# Altium PCB LAY-94611_B.PcbDoc (part 10 of 16) (continued)
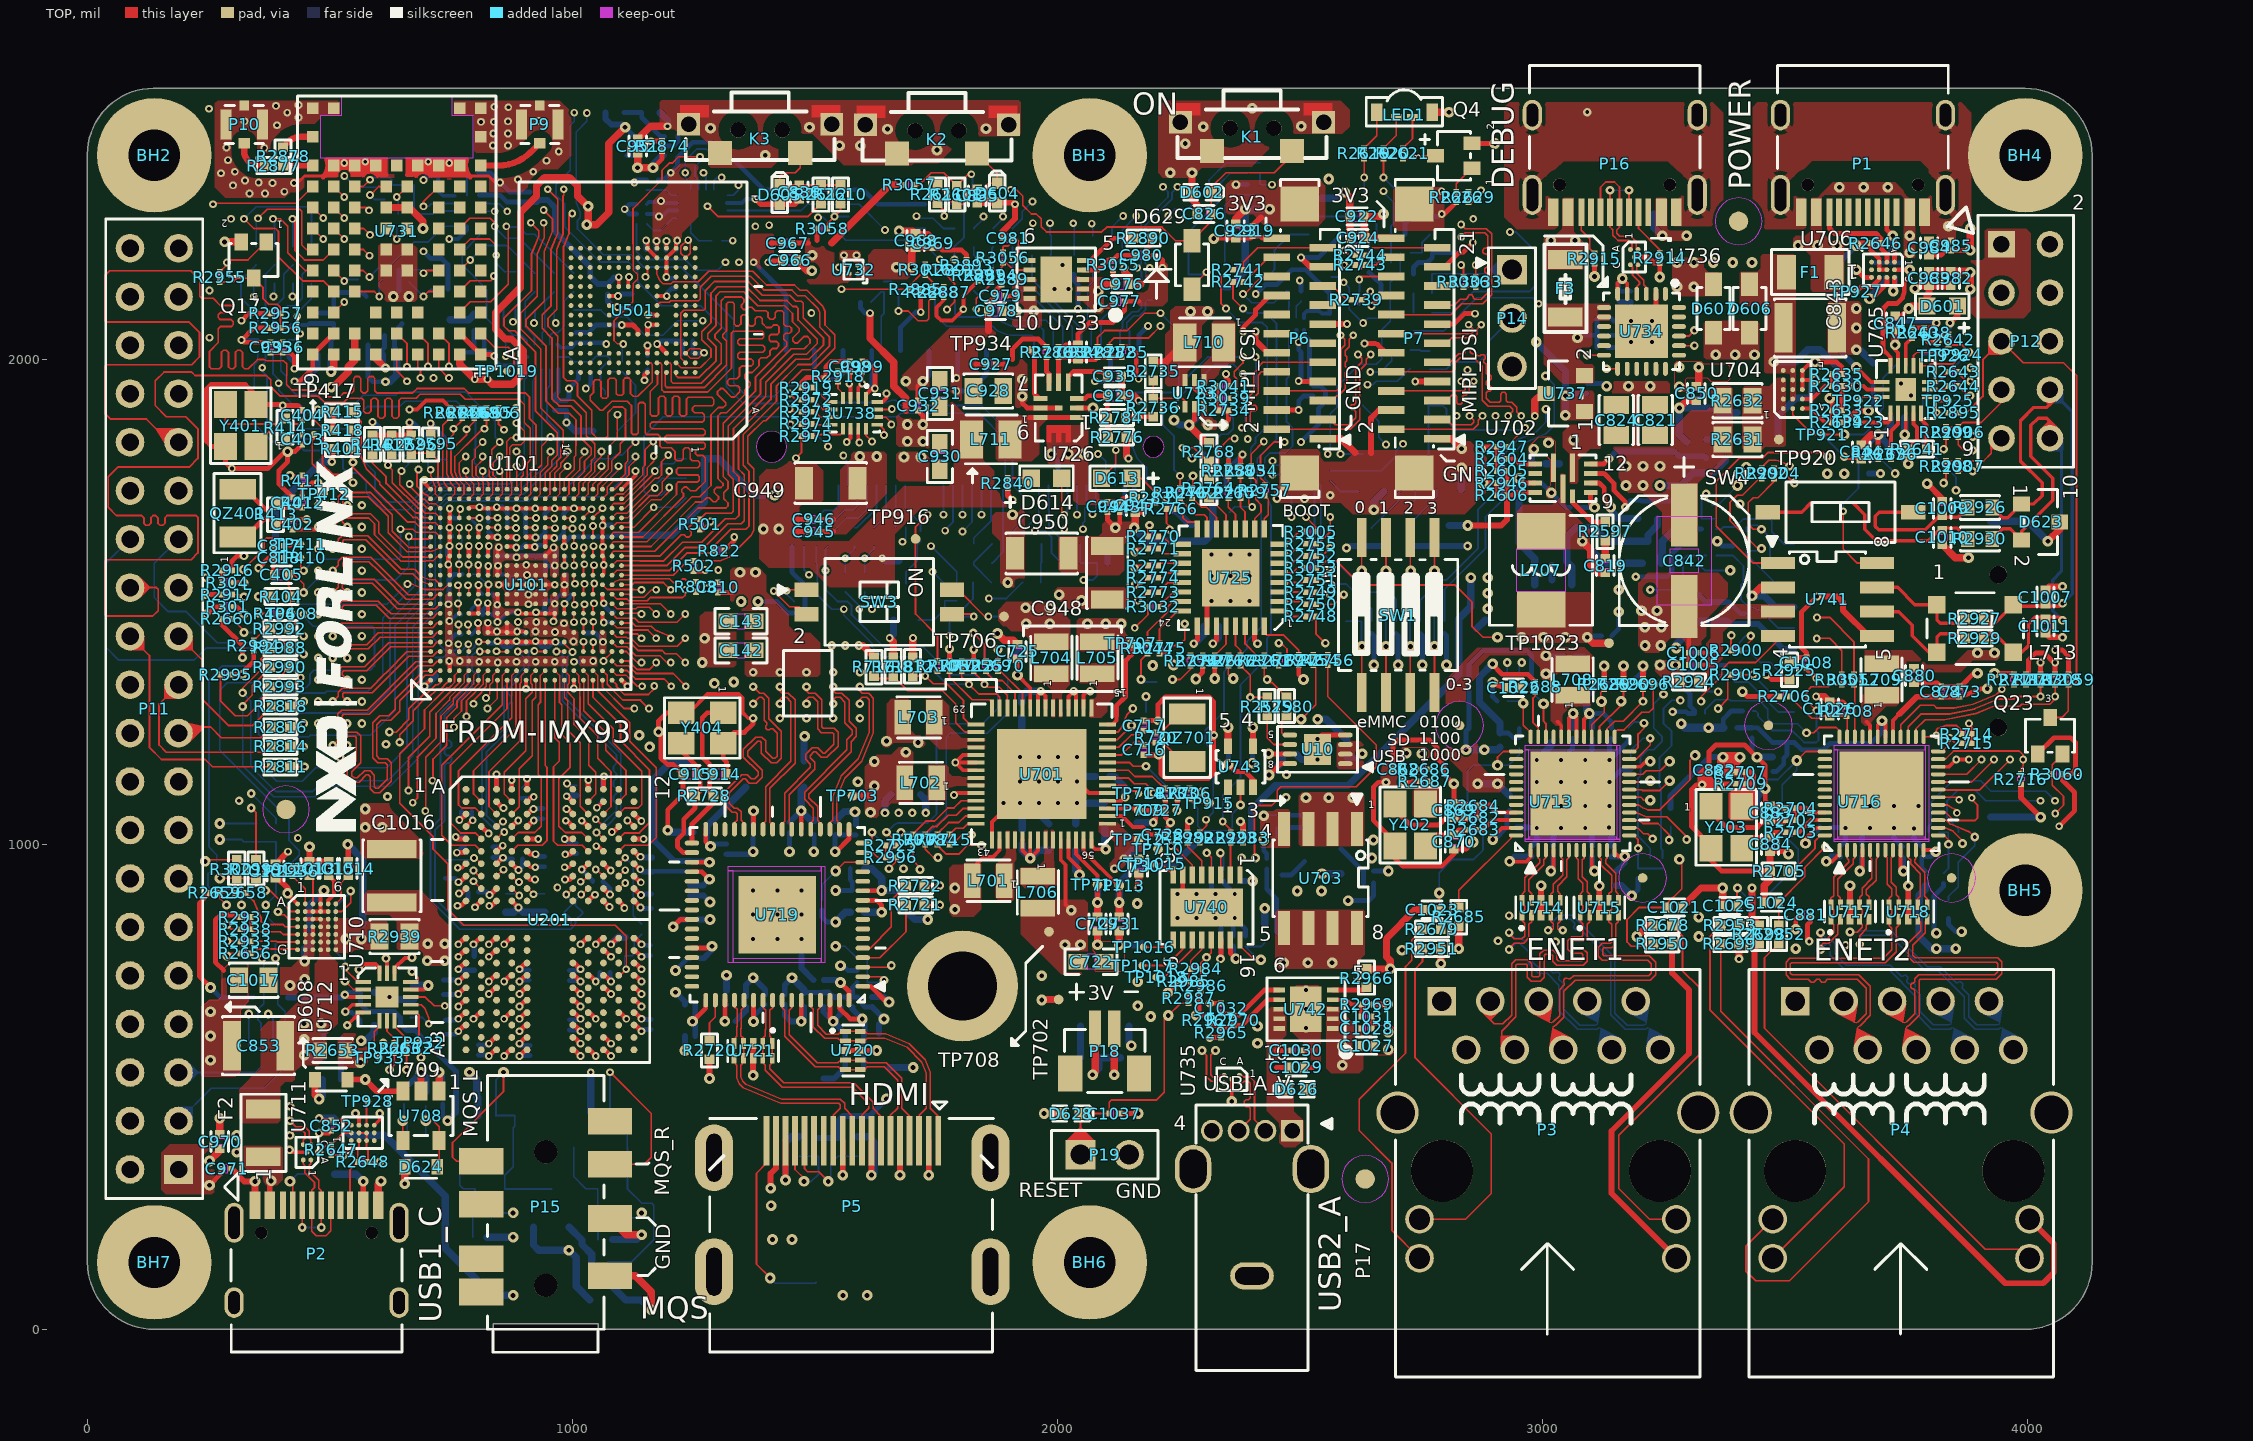
[diagram p0: TOP view]
## Nets (pads, with @x,y where several pads share a name; then routed paths per layer and width w, separated by ;. In a path a pad name is that pad's centre, name@x,y a point inside that pad or via, vN(x,y) a via of type N, cw(c..) or ccw(c..) an arc to the next point about the centre after c; other vN are vias at no path point) (continued)
  BOTTOM w3.62: v4(342.76,2130.04) 342.76,2150.8 347.76,2155.8 347.76,2156.8 ; v4(2052.8,1650) 2052.8,1662.09 2056.8,1666.09 2056.8,1693 2060.4,1696.6 P8.12@2060.4,1740
M2_PCM_OUT: P8.14 R2792.2 | length 3983.7
  ART06 w4: v4(383.76,2130.04) 383.76,2035.04 410.55,2008.25 410.55,1940.25 419.3,1931.5 419.3,1878.77 381.8,1841.27 381.8,1668.15 387.8,1662.15 387.8,1140 495.8,1032 535.8,1032 561.8,1006 657.79,1006 811.79,1160 984.8,1160 1004.8,1140 1004.8,1120 1025.8,1099 1083.8,1099 1113.8,1069 1155.8,1069 1171.14,1053.66 1326.14,1053.66 1356.8,1023 1376.8,1023 1446.8,953 1484.8,953 1517.8,920 1517.8,894 1526.8,885 1559.8,885 1562.8,882 1658.8,882 1674.8,898 1764.8,898 1773.8,889 1901.8,889 1935.8,855 1989.8,855 2016.8,882 2016.8,949 2077.8,1010 2077.8,1186.99 2030.29,1234.5 1980.3,1234.5 1944.8,1270 1944.8,1434 1960.8,1450 1960.8,1523 2035.8,1598 2035.8,1675.09 v4(2040.71,1680)
  BOTTOM w3.62: v4(383.76,2130.04) 385.76,2132.04 385.76,2156.8 ; v4(2040.71,1680) P8.14@2040.71,1740
M2_PCM_SYNC: P8.10 R2791.2 | length 3928.1
  ART06 w4: v4(422.76,2130.04) 406.76,2114.04 406.76,2053.04 450.3,2009.5 450.3,1936.08 430.8,1916.58 430.8,1874 393.3,1836.5 393.3,1672.92 402.8,1663.42 402.8,1149.7 442.65,1109.85 570.95,1109.85 612.8,1068 674.8,1068 779.8,1173 998.8,1173 1014.8,1157 1014.8,1125 1027.8,1112 1085.8,1112 1110.8,1087 1153.8,1087 1173.1,1067.7 1331.5,1067.7 1331.62,1067.82 1337.98,1067.82 1363.8,1042 1386.8,1042 1421.8,1007 1467.8,1007 1474.8,1000 1474.8,980 1529.8,925 1585.8,925 1600.8,940 1635.8,940 1646.8,929 1736.8,929 1743.8,936 1772.8,936 1797.8,961 1862.8,961 1954.8,1053 2044.3,1053 2066.3,1075 2066.3,1182.22 2029.52,1219 1951.8,1219 1900,1270.8 1900,1370 1912.8,1382.8 1912.8,1498 1956.8,1542 1956.8,1582.31 1994.8,1620.31 1994.8,1686.8 2013,1705 2048.8,1705 v4(2072.8,1681)
  BOTTOM w3.62: v4(422.76,2130.04) 423.76,2131.04 423.76,2156.8 ; v4(2072.8,1681) 2079.08,1687.28 2079.08,1739 P8.10@2080.08,1740
M2_PWRON: C934.1 R2781.2 R2782.2 R2783.1 R2785.2 U726.5 | length 184.9
  TOP w10: U726.5@2002.8,1953.15 2002.8,2004.49 2023.31,2004.49 2027.56,2000.24 2042.8,2000.24 2078.55,2000.24 2082.8,2004.49 2107.8,2004.49 2132.8,2004.49
M2_SD_CLK: P8.9 R2824.2 | length 153.1
  BOTTOM w3.62: P8.9@2089.92,2018.34 2089.92,2081.11 2112.72,2103.91 2112.72,2162
M2_SD_CMD: P8.11 R2823.2 R2825.2 | length 203.9
  BOTTOM w3.62: P8.11@2070.24,2018.34 2070.24,2067.56 2062.8,2075 2062.8,2150 2073,2160.2 R2823.2@2073,2174.96 R2825.2@2073,2214.96
M2_SD_DATA0: P8.13 R2822.2 R2826.2 | length 239.3
  BOTTOM w3.62: R2826.2@1947.6,2215.04 R2822.2@1947.6,2175.04 1947.6,2165.4 2050.55,2062.45 P8.13@2050.55,2018.34
M2_SD_DATA1: P8.15 R2827.2 | length 202.8
  BOTTOM w3.62: 1907.72,2142 1955.8,2142 2030.87,2066.93 P8.15@2030.87,2018.34
M2_SD_DATA2: P8.17 R2828.2 | length 223.5
  BOTTOM w3.62: 1867.72,2142 1888.72,2121 1957.8,2121 2011.18,2067.62 P8.17@2011.18,2018.34
M2_SD_DATA3: P8.19 R2829.2 | length 241.7
  BOTTOM w3.62: 1827.72,2142 1848.72,2121 1861.8,2121 1895.27,2087.53 1911.04,2081 1976.8,2081 1991.5,2066.3 P8.19@1991.5,2018.34
M2_SD_NRST: P8.23 R3037.2 | length 298
  BOTTOM w3.62: 1747.76,2141.8 1747.76,2093.04 1772.3,2068.5 1867.3,2068.5 1876.28,2059.52 1899.26,2050 1947.73,2050 1952.13,2045.6 P8.23@1952.13,2018.34
M2_SD_NWAKE: P8.21 R2851.2 | length 285.7
  BOTTOM w3.62: 1787.8,2142 1787.8,2122 1788.8,2121 1788.8,2094 1795.3,2087.5 1875.3,2087.5 1885.56,2077.24 1905.46,2069 1963.41,2069 1971.81,2060.6 P8.21@1971.81,2018.34
M2_UART_CTS: P8.34 R2839.2 | length 3072.8
  ART03 w3.09: v3(1843.86,1680) 1868.86,1655 1916.8,1655 1971.8,1710 2091.11,1710 2113.21,1687.9 2201.61,1687.9 2216.01,1673.5 2366.3,1673.5 2382.8,1657 2423.74,1657 2443.14,1637.6 2531.42,1637.6 2550.82,1657 2678.8,1657 2767.4,1745.6 2846.6,1745.6 2864,1763 2912,1763 2935,1740 2975,1740 2991,1756 3123,1756 3162,1795 3269.31,1795 3290,1774.31 3290,1719 3324,1685 3363.79,1685 3388.79,1660 3430,1660 3461.8,1691.8 3461.8,1966 3458.8,1969 3458.8,2038 3370.8,2126 3003.8,2126 v3(2992.8,2115)
  BOTTOM w3.62: v3(1843.86,1680) P8.34@1843.86,1740 ; 2734.6,2058.54 2796.38,2058.54 2864.84,2127 2980.8,2127 v3(2992.8,2115)
M2_UART_NWAKE: P8.20 R2853.2 | length 131.5
  BOTTOM w3.62: P8.20@1981.66,1740 1981.66,1691.14 1982.8,1690 1982.8,1655 2009.4,1628.4 R2853.2@2009.4,1620
M2_UART_RTS: P8.36 R2837.2 | length 1935.5
  ART06 w4: v4(1804.49,1645) 1840.53,1645 1859.76,1664.23 1859.76,1684.24 1781,1763 1698,1763 1667,1794 1667,1811 1673,1817 1673,1872 1705,1904 2045,1904 2076,1935 2180.8,1935 2195.8,1950 2195.8,2005.2 2166.8,2034.2 2166.8,2088 2193.8,2115 2229.8,2115 2233.8,2111 2233.8,2004 2298.8,1939 2521,1939 2530,1948 v4(2639.8,1948)
  BOTTOM w3.62: v4(1804.49,1645) 1824.18,1664.69 P8.36@1824.18,1740 ; v4(2639.8,1948) 2650.8,1948 2657.8,1955 2701.46,1955 2727.76,1981.3
M2_UART_RXD: P8.22 R2835.2 | length 133.4
  BOTTOM w3.62: R2835.2@1929.6,1620.04 1929.6,1646.8 1961.97,1679.17 P8.22@1961.97,1740
M2_UART_TXD: P8.32 R2833.2 | length 134.9
  BOTTOM w3.62: R2833.2@1827.6,1620.04 1827.6,1631.8 1863.55,1667.75 P8.32@1863.55,1740
M2_USB_DN: P8.5 R2807.2 | length 142.1
  BOTTOM w3.62: P8.5@2129.29,2018.34 2129.29,2059.49 2134.63,2064.83 2134.63,2078.86 2154.27,2098.5 2165.77,2098.5 2173.47,2106.2 2173.47,2118 2169.47,2122 2157.72,2122
M2_USB_DP: P8.3 R2806.2 | length 142.3
  BOTTOM w3.62: P8.3@2148.98,2018.34 2148.98,2058.82 2143.13,2064.67 2143.13,2075.33 2157.8,2090 2169.3,2090 2181.97,2102.67 2181.97,2118 2185.97,2122 2197.72,2122
MQS_L: C991.2 C992.2 D620.1 D621.3 P15.5 R2913.1 TP1048.1 | length 672.3
  TOP w3.62: P15.5@812.01,346.45 761.35,346.45 752.8,355 752.8,385 857.8,490 v7(857.8,530)
  BOTTOM w3.62: v7(857.8,530) 842.6,514.8 D620.1@842.6,480 R2913.1@842.6,440.04 843.56,441 TP1048.1@881,441 881,419 877.92,415.92 C992.2@877.92,375 877.92,335.13 860.51,317.72 860.51,290 861.01,289.5 D621.3@956.8,289.5
MQS_R: C988.2 C989.2 D618.3 D619.1 P15.3 R2911.1 TP1047.1 | length 838.7
  TOP w3.62: P15.3@1077.75,340.55 1148.35,340.55 1162.8,355 1162.8,445 v5(1077.8,530)
  BOTTOM w3.62: D618.3@1072.8,139.5 1122.3,139.5 1167.8,185 1167.8,256 1163.8,260 1143.51,260 1113.51,290 1113.51,374.41 C989.2@1112.92,375 1112.92,417.92 1119,424 TP1047.1@1119,445 R2911.1@1077.6,445.04 R2911.1@1077.6,445.04 1077.6,479.8 1077.8,480 D619.1@1077.8,485 v5(1077.8,530)
MX_POR_B: C405.1 R404.2 R406.2 TP408.1 U101.A16 | length 513.9
  TOP w3.62: 396.82,1476 TP408.1@421.31,1476 421.31,1493.4 418,1496.71 R404.2@418,1511.04 418,1529.8 414.56,1533.24 414.56,1556 426.81,1556 445.8,1537.01 v15(445.8,1519.45) ; v5(662.8,1635) 667.8,1630 703.83,1630 U101.A16@707.75,1633.92
  BOTTOM w3.62: v15(445.8,1519.45) 471.35,1545 635,1545 662.8,1572.8 v5(662.8,1635)
NetC401_1: C401.1 QZ401.2 R412.2 R413.1 | length 155.4
  TOP w10: QZ401.2@309.56,1732.29 325.51,1732.29 365.84,1691.96 380,1691.96 R413.1@387.84,1699.8 393.15,1694.49 C401.1@422.8,1694.49 442.8,1694.49
NetC710_1: C710.1 C711.1 L703.2 R709.2
  other v7: 1713,1210 1647.8,1213
NetC728_1: C728.1 TP710.1 U701.2 | length 149.8
  TOP w8: U701.2@2103.63,1058.39 2133.41,1058.39 2155.8,1036 2176.8,1036 2192.8,1020 C728.1@2207.29,1020
  TOP w10: C728.1@2207.29,1020 2207.29,1013.51 2207.8,1013 TP710.1@2207.8,990
NetC810_1: C810.1 R803.2 U501.M6 | length 873.6
  TOP w3.62: v4(1150.8,2170.42) 1151.09,2170.42 1154.71,2174.04 U501.M6@1154.71,2189.82 ; 1254.8,1520.49 1269.79,1520.49 v4(1277.3,1528) 1289.81,1540.51 C810.1@1299.8,1540.51
  ART06 w4: v4(1150.8,2170.42) 1131.38,2151 1090,2151 1053.8,2114.8 1053.8,2011.15 1067.8,1977.35 1067.8,1895.07 1092.8,1834.7 1092.8,1797.8 1078.8,1783.8 1078.8,1759.2 1155.41,1682.59 1171.68,1643.32 1277.3,1537.7 v4(1277.3,1528)
NetC813_1: C813.1 R703.2 R706.2 U701.8 | length 184.6
  TOP w3.62: U701.8@2103.63,1152.87 2146.94,1152.87 2159.81,1140 2195.79,1140 2220.28,1115.51 C813.1@2222.8,1115.51 2247.8,1115.51 2272.8,1115.51
NetC819_1: C819.1 R2597.2 | length 37.1
  TOP w15: 3129.8,1589.76 3129.8,1612 3129.84,1612.04 R2597.2@3129.84,1626.8
NetC819_2: C819.2 L707.1 R2600.1 U702.7 | length 235.8
  TOP w15: v7(3082.8,1625) 3100,1607.8 3100,1575.24 3115,1560.24 3129.8,1560.24
  BOTTOM w15: v7(3082.8,1625) 3127.84,1579.96 R2600.1@3207,1579.96
NetC822_1: C822.1 R2600.2 R2602.1 | length 103.8
  BOTTOM w15: R2600.2@3245,1579.96 3245,1595 3247.56,1597.56 3247.56,1625 3277.84,1655.28 3277.84,1670.2
NetC832_1: C832.1 R2599.2 U702.12 | length 253.9
  TOP w10: U702.12@3099.89,1784.53 3127.33,1784.53 v15(3137.8,1795)
  BOTTOM w12: v15(3137.8,1795) 3152.8,1810 3272.8,1810 3282.56,1800.24 C832.1@3297.8,1800.24 3334.32,1800.24 3337.76,1796.8
NetC838_2: C838.2 C1019.1 R2607.2 R2609.1 U703.4 | length 201.2
  BOTTOM w3.62: v7(2425.8,1059) 2426.8,1060 C838.2@2452.29,1060
  BOTTOM w10: C1019.1@2431.8,949.49 2431.8,908 2451.8,888 2451.8,820 2456.8,815 ; R2607.2@2473.31,1035 2502.8,1035
NetC844_1: C844.1 Q6.1 R2636.2 R2637.1 | length 196.3
  TOP w3.62: v15(3622.8,1799.49) 3627.8,1794.49 3657.8,1794.49 3692.8,1794.49 3719.05,1794.49
  BOTTOM w3.62: 3555.33,1869.5 3555.33,1866.96 v15(3622.8,1799.49)
NetC849_1: C849.1 D606.C D607.C U707.2
  other v7: 3357.8,2010 3397.8,2010 3437.8,2010
NetC851_1: C851.1 D624.C R2649.1 U708.5 | length 176.9
  TOP w3.62: v7(697.8,430) 712.8,430 725.3,417.5 U708.5@725.3,389 725.3,339.24 D624.C@721.26,335.2
  BOTTOM w3.62: R2649.1@697.6,400.04 697.6,404.8 697.8,405 v7(697.8,430) C851.1@697.8,460.24
NetC926_1: C926.1 R2747.2 R2753.2 U725.28 | length 153
  TOP w3.62: 2274.8,1389.51 2299.8,1389.51 C926.1@2324.8,1389.51 2347.96,1412.67 U725.28@2347.96,1449.61
  TOP w10: v13(2285.8,1341) 2299.8,1355 R2747.2@2299.8,1368.49
NetC929_2: C929.2 R2776.2 R2784.1 U726.3 | length 150.8
  TOP w10: U726.3@2040.2,1919.69 2057.49,1919.69 2062.8,1925 2103.04,1925 2103.04,1880.08 R2784.1@2103,1880.04 2103,1859.8 2104.6,1858.2 R2776.2@2104.6,1839.96
NetC933_1: C933.1 U726.4 | length 100.5
  TOP w10: U726.4@2022.49,1953.15 2022.49,1964.69 2032.8,1975 2093.04,1975 2103.04,1965
NetC980_1: C980.1 R3055.2 U733.4 | length 121.9
  TOP w10: U733.4@2052.92,2184.69 2084.7,2184.69 2105.52,2205.51 2115,2205.51 2124.49,2215 C980.1@2162.29,2215
NetC981_1: C981.1 R3056.2 U733.6 | length 109.4
  TOP w3.62: 1888,2220.51 1888,2232 1890,2234 1898.99,2234 1908.31,2243.32 C981.1@1908.31,2250 1914.99,2250 1920,2244.99 1920,2222.81 1938.44,2204.37 U733.6@1942.68,2204.37
NetC988_1: C988.1 C989.1 C990.1 R2910.2 | length 226.4
  BOTTOM w3.62: C989.1@1002.68,375 1002.68,315.12 1027.8,290 1052.09,290 1052.09,232.55 R2910.2@1054.6,230.04 1053.04,228.48 1053.04,185
NetC991_1: C991.1 C992.1 C993.1 R2912.2 | length 267.7
  BOTTOM w3.62: C992.1@767.68,375 767.68,297.32 775,290 799.09,290 799.09,251.29 794.6,246.8 R2912.2@794.6,230.04 794.6,190
  BOTTOM w15: C993.1@824.12,190 v2(877.8,190)
NetC995_1: C995.1 C997.1 U734.5 U734.6 | length 126.2
  TOP w8: U734.6@3155.59,2135.26 3155.59,2157.29 v7(3165.3,2167) 3175.27,2157.03 U734.5@3175.27,2135.26
  BOTTOM w10: v7(3165.3,2167) 3157.8,2159.5 3157.8,2140.51 3182.8,2140.51
NetC1009_1: C1009.1 R2926.1 SW4.2 | length 367.4
  TOP w7: SW4.2@3765,1685 3695,1685 3687,1677 3687,1655.5 3694,1648.5 3790,1648.5 3819.74,1678.24 3824.8,1678.24 3828.54,1674.5 3856.71,1674.5 R2926.1@3877.21,1695
  TOP w12: v2(3793.8,1744) 3824.8,1713 C1009.1@3824.8,1707.76
NetC1010_1: C1010.1 R2930.2 SW4.1 | length 556.2
  TOP w7: SW4.1@3465,1685 3535,1685 3555,1705 3640,1705 3665,1680 3665,1650 3688.5,1626.5 3796.5,1626.5 3815,1645 3822.04,1645 3824.8,1647.76 3829.54,1652.5 3854.71,1652.5 R2930.2@3877.21,1630
  TOP w15: C1010.1@3824.8,1618.24 3852.04,1591 v2(3879,1591)
NetC1013_1: C1013.1 U710.A3 | length 61
  TOP w3.62: 457.8,935.24 464.93,928.11 U710.A3@464.93,877.24
NetC1014_1: C1014.1 U710.A6 | length 282.1
  TOP w3.62: U710.A6@512.17,877.24 522.8,887.87 522.8,920.24 537.8,935.24
  TOP w12: v7(536.8,1000) 537.8,999 C1014.1@537.8,964.76
  BOTTOM w15: v7(536.8,1000) 567.8,969 567.8,835
NetC1031_1: C1031.1 R2969.2 U742.4 | length 121.9
  TOP w8: U742.4@2567.92,679.69 2597.12,679.69 2606.81,670 2627.29,670
  TOP w10: C1031.1@2627.29,645 2627.29,670
  TOP w12: R2969.2@2648.31,670 v17(2681.8,670)
NetC1032_1: C1032.1 R2970.2 U742.6 | length 143
  TOP w10: C1032.1@2337.8,651.49 2358.82,651.49 2362.8,647.51 2375.31,647.51 2427.17,699.37 U742.6@2457.68,699.37
NetC1033_1: C1033.1 C1034.1 R2976.2 U740.15 | length 70.7
  TOP w10: U740.15@2357.01,803.07 2357.01,775.58 v7(2368.2,764.39)
  BOTTOM w12: 2362.8,789.49 2362.8,769.79 v7(2368.2,764.39)
NetC1035_1: C1035.1 R2977.2 U740.16 | length 153.5
  TOP w3.62: U740.16@2376.7,803.07 2376.7,791.1 2405.8,762 v7(2419.8,762)
  BOTTOM w3.62: v7(2419.8,762) 2415.29,762 2387.8,789.49 2420.45,789.49 2427.76,796.8
NetC1045_2: C1045.2 D629.A Q21.1 Q22.3 R3020.2 | length 368
  TOP w3.62: D629.A@2277.8,2145 2277.8,2150 v5(2307.8,2180)
  BOTTOM w3.62: v5(2307.8,2180) 2302.8,2175 2270.33,2175 2270.33,2259.5 2270.33,2262.53 2332.8,2325 2332.8,2360.01 2357.28,2384.49 R3020.2@2367.8,2384.49 2392.8,2384.49
NetD601_A: D601.A R605.2 | length 146.1
  TOP w12: v15(3841,2075) 3856.5,2090.5 D601.A@3856.5,2110
  BOTTOM w10: 3785.04,2053.2 3786.84,2055 3829.5,2055 3841,2066.5 v15(3841,2075)
  BOTTOM w15: R605.2@3785.04,2015.2 3819.8,2015.2
NetD603_C: D603.C R2598.1 R2599.1 | length 243.6
  BOTTOM w12: 3337.76,1834.8 3377.76,1834.8 3419.14,1834.8 D603.C@3419.34,1835
  BOTTOM w15: v13(3242.8,1740) 3285,1740 3311.6,1766.6 3353.4,1766.6 3377.76,1790.96 R2598.1@3377.76,1796.8
NetD608_C: D608.C R2651.2 R2652.2 R2654.1 U708.3 | length 260.5
  TOP w12: D608.C@536.26,515 v7(572.8,515) 596.8,491 U708.3@650.3,491
  BOTTOM w12: R2652.2@526,599.96 R2651.2@526,559.96 522.6,556.56 R2654.1@522.6,515.04 v7(572.8,515) v7(572.8,515)
NetD613_A: D613.A R2831.1 | length 60.7
  TOP w3.62: D613.A@2154.3,1755 2173.31,1755 2202.8,1725.51
NetD614_A: D614.A R2840.1 | length 77.3
  TOP w3.62: 1897.8,1755.51 1945.79,1755.51 D614.A@1946.3,1755
  TOP w12: R2840.1@1897.8,1734.49 1897.8,1720 v16(1907.8,1710)
NetD627_C: D627.C R2978.1 | length 107.2
  BOTTOM w15: 2047.8,625 2047.8,560.16 R2978.1@2048,559.96 ; D627.C@2147.8,625 2147.8,590 v18(2152.8,585)
NetF1_1: F1.1 P1.A4 P1.A9 P1.B4 P1.B9 TP1024.1 TP1025.1
  other v7: 3757.8,2220 3527.8,2235 3567.8,2235 3607.8,2235 3757.8,2255 3612.8,2355 3662.8,2355 3712.8,2355
NetF2_1: F2.1 P2.A4 P2.A9 P2.B4 P2.B9 TP1031.1 | length 379.6
  TOP w12: P2.B9@375.98,255.71 375.98,303.18 v14(378.8,306) ; P2.B4@568.89,255.71 v14(568.89,305)
  ART03 w15: v14(378.8,306) 407.8,277 540.89,277 v14(568.89,305)
  BOTTOM w15: TP1031.1@510,320 553.89,320 v14(568.89,305)
NetF3_1: F3.1 P16.A4 P16.A9 P16.B4 P16.B9 TP1042.1 | length 52.4
  BOTTOM w15: TP1042.1@3230,2300 3230,2272.8 v19(3247.8,2255)
  other v19: 3017.8,2245 3067.8,2245 3297.8,2255
NetF5_1: F5.1 U722.2
NetL701_1: L701.1 U701.45 U701.46
NetL702_1: L702.1 U701.36 U701.37
NetL703_1: L703.1 U701.31 U701.32
NetL704_1: L704.1 U701.19 U701.20
NetL705_1: L705.1 U701.15
NetL706_1: L706.1 U701.50 U701.51
NetL708_1: L708.1 U713.32 | length 34.3
  TOP w8: 3031.8,1253 3039.18,1245.62 U713.32@3039.18,1221.73
NetL709_1: L709.1 U716.32 | length 34.3
  TOP w8: 3668.8,1253 3676.18,1245.62 U716.32@3676.18,1221.73
NetL710_1: L710.1 U723.4
NetL711_1: L711.1 U726.1 U726.9 | length 97.4
  TOP w10: 1942.8,1880.31 U726.9@1965.4,1880.31 U726.1@2040.2,1880.31
NetL712_1: L712.1 U730.4 | length 22
  BOTTOM w10: 1112.69,2420.32 U730.4@1134.74,2420.32
NetLED1_2: LED1.2 R2621.1 | length 71.6
  TOP w3.62: 2712.8,2435.51 2732.53,2455.24 LED1.2@2732.53,2498.97
NetLED1_3: LED1.3 R2620.1 | length 74.3
  TOP w3.62: 2672.8,2435.51 2699.07,2461.78 LED1.3@2699.07,2498.97
NetLED1_4: LED1.4 R2619.1 | length 85
  TOP w3.62: 2632.8,2435.51 2658.71,2461.42 LED1.4@2658.71,2509.8
NetP3_11: P3.11 R2951.1 | length 746.4
  TOP w3.62: P3.11@2747.05,226.77 2841.77,226.77 2895,280 2895,402.8 2737.8,560 2737.8,743 2753,758.2 R2951.1@2753,785.04
NetP3_12: P3.12 R2679.1 | length 783.6
  TOP w3.62: P3.12@2747.05,146.85 2690,203.9 2690,342.8 2622.8,410 2622.8,474 2718,569.2 2718,748 2730.8,760.8 2730.8,802.84 R2679.1@2753,825.04
NetP3_13: P3.13 R2678.1 | length 779.7
  TOP w3.62: R2678.1@3267.6,832.86 3289.13,811.33 3289.13,739.67 3323.8,705 3323.8,566 3157.8,400 3157.8,290.32 3221.35,226.77 P3.13@3276.58,226.77
NetP3_14: P3.14 R2950.1 | length 784.2
  TOP w12: R2950.1@3267.6,794.96 3267.6,735 3302.6,700 3302.6,568.8 3142.8,409 3142.8,280.63 P3.14@3276.58,146.85
NetP4_11: P4.11 R2699.1 | length 1116.7
  TOP w3.62: R2699.1@3368,795.04 3368,656 3672.8,351.2 3672.8,262.8 3510,100 3440,100 3420,120 3420,171.37 P4.11@3475.41,226.77
NetP4_12: P4.12 R2953.1 | length 871.3
  TOP w3.62: R2953.1@3368.7,832.86 3345.8,809.96 3345.8,659.2 3622.8,382.2 3622.8,294.25 P4.12@3475.41,146.85
NetP4_13: P4.13 R2698.1 | length 1158
  TOP w12: R2698.1@3447.76,795.2 3438,785.44 3438,612 3955,95 4033,95 4055,117 4055,176.7 P4.13@4004.94,226.77
NetP4_14: P4.14 R2952.1 | length 929.5
  TOP w3.62: R2952.1@3487.76,795.2 3458.38,765.82 3458.38,620.62 3914,165 3986.78,165 P4.14@4004.94,146.85
NetP7_17: P7.17 R3033.2 R3036.2 | length 80.2
  TOP w3.62: P7.17@2783.46,2151.57 2835.72,2151.57 2837.8,2149.49 2862.8,2149.49
NetP7_18: P7.18 R3034.2 R3035.2 | length 123.1
  TOP w3.62: v5(2622.8,2165) 2622.8,2166.85 2627.2,2171.25 P7.18@2688.98,2171.25
  BOTTOM w3.62: v5(2622.8,2165) 2623.31,2164.49 2623.31,2137 2623.31,2112
NetP8_55: P8.55 R2868.2 R3031.1 | length 427.2
  TOP w15: v5(1613.8,2095.5) 1613.8,2043 1662.8,1994 1662.8,1945 1687.8,1920 1687.8,1895
  BOTTOM w3.62: 1615.31,2118 1636.8,2139.49 R2868.2@1642.8,2139.49 1642.8,2095.01 1637.17,2089.38 P8.55@1637.17,2018.34
  BOTTOM w10: R3031.1@1594.29,2118 1594.29,2105.5 1604.29,2095.5 v5(1613.8,2095.5)
NetP8_62: P8.62 R2860.1 | length 1473.2
  ART06 w4: v4(1558.8,1802) 1548.8,1812 1548.8,1968 1610.8,2030 1727.8,2030 1789.3,2091.5 1789.3,2111.5 1812.8,2135 1960.8,2135 2009.8,2086 2112.8,2086 2161.8,2135 2349.07,2135 2369.07,2155 2424.8,2155 2440.8,2139 2440.8,2036.53 v4(2409.27,2005)
  BOTTOM w3.62: v4(1558.8,1802) 1558.8,1798 1568.27,1788.53 P8.62@1568.27,1740 ; v4(2409.27,2005) 2409.8,2004.47 R2860.1@2409.8,1943.54
NetP8_64: P8.64 R2861.1 R2864.1 | length 169.9
  BOTTOM w3.62: R2861.1@1452.8,1635.51 R2864.1@1477.8,1635.51 1477.8,1646.99 1519.81,1689 1538.8,1689 1548.58,1698.78 P8.64@1548.58,1740
NetP9_1: P9.1 U731.K1 | length 136.8
  TOP w13: U731.K1@811.03,2399.92 847.45,2399.92 ccw(c847.45,2494.46) 914.3,2427.61 P9.1@932.8,2446.11
NetP10_1: P10.1 R2877.2 | length 75.6
  TOP w13: P10.1@323.3,2446.11 323.3,2428.54 ccw(c349.23,2428.54) 330.89,2410.21 334.03,2407.07 ccw(c351.29,2424.33) 351.29,2399.92 R2877.2@365.34,2399.92
NetP16_A5: P16.A5 R2914.1 | length 101.3
  TOP w3.62: P16.A5@3198.84,2303.34 3198.83,2269.96 3242.29,2226.5 3242.29,2220
NetP16_B5: P16.B5 R2915.1 | length 122.5
  TOP w3.62: P16.B5@3080.73,2303.34 3080.72,2266.07 3097.8,2248.99 3097.8,2228.51 3107.8,2218.51
  TOP w10: v23(3107.8,2171) R2915.1@3107.8,2197.49
NetP17_2: P17.2 U735.A1 | length 147.3
  TOP w3.49: U735.A1@2375.55,523.87 2380.93,523.87 2384.4,520.4 2397.25,520.4 2406.6,511.05 2406.6,431.98 P17.2@2429.13,409.45
NetP17_3: P17.3 U735.A2 | length 149.1
  TOP w3.49: P17.3@2374.01,409.45 2397.8,433.24 2397.8,456 2394.31,459.49 2389.29,459.49 2385.8,462.98 2385.8,469.96 2389.29,473.45 2394.31,473.45 2397.8,476.94 2397.8,507.4 2393.6,511.6 2385.4,511.6 2381.93,508.13 U735.A2@2375.55,508.13
NetQ1_1: Q1.1 R2613.2 R2614.2 | length 89.9
  BOTTOM w10: 2585.27,990.5 2630.77,945 2631.29,945 2631.29,920
NetQ1_3: Q1.3 R2609.2 | length 59.3
  BOTTOM w10: 2462.76,936.8 2482.13,936.8 2510.33,965
NetQ2_3: Q2.3 R2619.2 | length 81.1
  TOP w3.62: 2632.8,2414.49 2632.84,2414.45 v5(2632.84,2375.04)
  BOTTOM w3.62: Q2.3@2632.8,2333.47 v5(2632.84,2375.04) v5(2632.84,2375.04)
NetQ3_1: Q3.1 R2625.1 R2627.2 | length 68.1
  BOTTOM w3.62: 2728.31,2220 2752.29,2220 2752.29,2241.52 Q3.1@2768.3,2257.53
NetQ3_3: Q3.3 R2620.2 | length 127.1
  TOP w3.62: 2672.8,2414.49 2672.84,2414.45 v5(2672.84,2375.04)
  BOTTOM w3.62: v5(2672.84,2375.04) 2715.41,2332.47 Q3.3@2742.8,2332.47
NetQ4_1: Q4.1 R2626.1 R2629.2 | length 87.4
  TOP w3.62: 2847.8,2345.51 2822.8,2345.51 2822.8,2362.03 Q4.1@2855.27,2394.5
NetQ4_3: Q4.3 R2621.2 | length 69.8
  TOP w3.62: 2712.8,2414.49 2729.48,2414.49 2734.99,2420 Q4.3@2780.33,2420
NetQ6_3: Q6.3 R2633.2 R2634.2 U704.A3 | length 172.3
  TOP w8: U704.A3@3536.49,1898.63 3554.8,1898.63 3583.43,1870 3597.29,1870
  TOP w10: v7(3592.8,1920) 3597.29,1915.51 3597.29,1895 3597.29,1870
  BOTTOM w3.62: v7(3592.8,1920) 3617.8,1895 3630.27,1895
NetQ7_3: Q7.3 R2638.2 R2640.2 | length 165.4
  TOP w10: 3762.8,2065.51 3787.8,2065.51 3803.31,2065.51 v15(3812.8,2075)
  BOTTOM w10: Q7.3@3707.8,2067.47 3727.47,2067.47 3739,2079 3808.8,2079 v15(3812.8,2075)
NetQ8_1: Q8.1 R2858.1 R2863.1 | length 106.3
  BOTTOM w3.62: Q8.1@1713.3,1462.53 1745.32,1462.53 1767.8,1485.01 R2863.1@1767.8,1502.53 R2858.1@1792.8,1502.53
NetQ8_3: Q8.3 R2850.2 R2852.2 | length 99.4
  BOTTOM w3.62: Q8.3@1687.8,1537.47 1687.8,1561.76 R2850.2@1711,1584.96 1711,1617.69 R2852.2@1717.8,1624.49
NetQ9_1: Q9.1 R3002.2 | length 93.3
  BOTTOM w3.62: 2727.76,1661.8 2782.3,1716.34 Q9.1@2782.3,1732.47
NetQ9_3: Q9.3 R2605.1 R2606.1 R2946.1 U702.6 | length 339.1
  TOP w10: v2(2877.8,1745) R2946.1@2906.29,1745 R2606.1@2906.29,1720 ; 2927.31,1770 2927.31,1745 2927.31,1720 2937.79,1720 2943.26,1725.47 U702.6@2985.71,1725.47
  TOP w12: v7(2846.33,1657.53) 2915.31,1657.53 2927.31,1669.53 2927.31,1720
  BOTTOM w15: Q9.3@2807.8,1657.53 v7(2846.33,1657.53)
NetQ15_1: Q15.1 R2945.2 | length 68.6
  BOTTOM w3.62: R2945.2@2562.8,1749.49 2584.82,1727.47 Q15.1@2622.3,1727.47
NetQ15_3: Q15.3 R2943.2 | length 113.3
  BOTTOM w3.62: Q15.3@2647.8,1652.53 2703.8,1708.53 2703.8,1725 2713.8,1735 2717.29,1735
NetQ16_2: Q16.2 R2860.2 R2954.2 R3028.2 | length 356.6
  BOTTOM w3.62: 2280.33,1710.5 2325.33,1755.5 2325.33,1805 2325.33,1833.53 2337.8,1846 2351.8,1846 2363,1857.2 2363,1878.5 2350,1891.5 2350,1915 2333.2,1931.8 R3028.2@2333.2,1943.46 2371.72,1943.46 R2860.2@2371.8,1943.54
  BOTTOM w10: v26(2277.8,1796) 2286.8,1805 R2954.2@2304.31,1805
NetQ18_1: Q18.1 R2959.1 R2961.2 | length 173.7
  BOTTOM w3.62: R2959.1@1077.8,1974.49 R2961.2@1102.8,1974.49 1130.27,1947.02 1130.27,1889.5 Q18.1@1093.3,1852.53
NetR302_2: R302.2 U101.D8 | length 40.9
  TOP w3.2: v5(764.36,1496.74) 766.8,1494.3 U101.D8@766.8,1476.43
  BOTTOM w3.62: v5(764.36,1496.74) 766.64,1499.02 766.64,1515.37
NetR303_1: R303.1 U101.D12 | length 42.1
  TOP w3.62: v5(766.02,1577.51) 766.8,1576.73 U101.D12@766.8,1555.18
  BOTTOM w3.62: 762.85,1595.66 766.02,1592.49 v5(766.02,1577.51)
NetR305_1: R305.1 U101.D14 | length 42.8
  TOP w3.62: v5(766.49,1614.68) 766.8,1614.37 U101.D14@766.8,1594.55
  BOTTOM w3.62: v5(766.49,1614.68) 771.81,1620 771.81,1634.99
NetR705_2: R705.2 R710.2 U701.28 | length 183
  TOP w3.62: 1752.8,1357.49 1777.8,1357.49 1777.8,1345 1824.8,1298 1859.8,1298 1865.44,1292.36 U701.28@1865.44,1280.83
  TOP w10: R705.2@1777.8,1378.51 v27(1777.8,1403)
NetR707_2: R707.2 U701.39 | length 158.8
  TOP w3.62: 1702.8,1020.51 1702.8,1022 1728.8,1048 1746.8,1048 1773.8,1075 1786.8,1075 1801.68,1089.88 U701.39@1831.97,1089.88
NetR708_2: R708.2 U701.40 | length 127.2
  TOP w3.62: 1727.8,1020.51 1727.8,1021.99 1742.81,1037 1751.8,1037 1774.8,1060 1791.8,1060 1805.93,1074.13 U701.40@1831.97,1074.13
NetR714_2: R714.2 U701.41 | length 95.7
  TOP w3.62: 1752.8,1020.51 1752.8,1022 1775.8,1045 1796.8,1045 1810.19,1058.39 U701.41@1831.97,1058.39
NetR715_2: R715.2 U701.42 | length 63.3
  TOP w3.62: 1777.8,1020.51 1790.29,1033 1805.8,1033 1815.44,1042.64 U701.42@1831.97,1042.64
NetR716_2: R716.2 R718.1 U701.30 | length 285
  TOP w3.62: R716.2@1621.84,1347.2 1626.84,1342.2 1656.76,1342.2 R718.1@1661.76,1347.2 1691.96,1317 1763.3,1317 1790.8,1289.5 1790.8,1250.5 1809.69,1231.61 U701.30@1831.97,1231.61
NetR723_1: R723.1 U701.12 | length 95.3
  TOP w3.62: U701.12@2103.63,1215.87 2123.67,1215.87 v15(2152.8,1245)
  BOTTOM w3.62: v15(2152.8,1245) 2162.6,1235.2 2182.84,1235.2
NetR816_2: R816.2 U10.1 U10.2 U10.3 | length 77.4
  BOTTOM w15: v13(2536.8,1258) 2554.56,1258 R816.2@2596.76,1215.8
NetR2569_2: R2569.2 U701.25 | length 111.3
  TOP w3.62: 1852.8,1357.49 1852.8,1355.01 1869.81,1338 1886.6,1338 1912.68,1311.92 U701.25@1912.68,1280.83
NetR2570_2: R2570.2 U701.24 | length 100.3
  TOP w3.62: 1877.8,1357.49 1882.41,1357.49 1928.43,1311.47 U701.24@1928.43,1280.83
NetR2579_1: R2579.1 U10.6 | length 98
  TOP w3.62: R2579.1@2432.76,1265.2 2432.76,1220.04 2446.96,1205.84 U10.6@2479.71,1205.84
NetR2580_1: R2580.1 U10.5 | length 58.1
  TOP w3.62: R2580.1@2472.76,1265.2 2462.8,1255.24 2462.8,1230 2467.27,1225.53 U10.5@2479.71,1225.53
NetR2581_2: R2581.2 SW1.2 | length 99.5
  TOP w3.62: v7(2627.8,1564) SW1.2@2627.8,1633
  BOTTOM w3.62: v7(2627.8,1564) R2581.2@2627.8,1594.49
NetR2582_2: R2582.2 SW1.4 | length 99.5
  TOP w3.62: v7(2677.8,1564) SW1.4@2677.8,1633
  BOTTOM w3.62: v7(2677.8,1564) R2582.2@2677.8,1594.49
NetR2583_2: R2583.2 SW1.6 | length 100.3
  TOP w3.62: SW1.6@2727.8,1633 2727.8,1565 v7(2728.8,1564)
  BOTTOM w3.62: R2583.2@2727.8,1594.49 2727.8,1565 v7(2728.8,1564)
NetR2584_2: R2584.2 SW1.8 | length 99.5
  TOP w3.62: v7(2777.8,1564) SW1.8@2777.8,1633
  BOTTOM w3.62: v7(2777.8,1564) R2584.2@2777.8,1594.49
NetR2586_1: R2586.1 R2591.1 SW1.1 TP1079.1 | length 246.8
  TOP w3.62: SW1.1@2627.8,1313 2627.8,1392.81 2628.31,1393.32 v7(2628.31,1408.32)
  BOTTOM w3.62: TP1079.1@2595,1460 2627.29,1460 2627.29,1435 2627.29,1413.34 2628.31,1412.32 v7(2628.31,1408.32)
  BOTTOM w10: R2591.1@2648.31,1435 2652.8,1430.51 v2(2652.8,1370)
NetR2587_1: R2587.1 R2592.1 SW1.3 TP1080.1 | length 250.2
  TOP w3.62: SW1.3@2677.8,1313 2677.8,1384.49 2677.63,1384.66 2677.63,1408.15 v7(2677.8,1408.32)
  BOTTOM w3.62: TP1080.1@2675,1495 2677.29,1492.71 2677.29,1460 2677.29,1435 2677.29,1412.83 2677.8,1412.32 v7(2677.8,1408.32)
  BOTTOM w10: R2592.1@2698.31,1435 2702.8,1430.51 v2(2702.8,1370)
NetR2589_1: R2589.1 R2593.1 SW1.5 TP1081.1 | length 250.4
  TOP w3.62: SW1.5@2727.8,1313 2727.8,1407.81 v7(2728.31,1408.32)
  BOTTOM w3.62: TP1081.1@2725,1495 2727.29,1492.71 2727.29,1460 2727.29,1435 2727.29,1413.34 2728.31,1412.32 v7(2728.31,1408.32)
  BOTTOM w10: R2593.1@2748.31,1435 2752.8,1430.51 v2(2752.8,1370)
NetR2590_1: R2590.1 R2594.1 SW1.7 TP1082.1 | length 250
  TOP w3.62: SW1.7@2777.8,1313 v7(2777.8,1408.32)
  BOTTOM w3.62: TP1082.1@2775,1495 2777.29,1492.71 2777.29,1460 2777.29,1435 2777.29,1412.83 2777.8,1412.32 v7(2777.8,1408.32)
  BOTTOM w10: R2594.1@2798.31,1435 2802.8,1430.51 v2(2802.8,1370)
NetR2597_1: R2597.1 U702.8 | length 96.4
  TOP w10: U702.8@3062.49,1717.6 3062.49,1705.31 3103,1664.8 R2597.1@3129.84,1664.8
NetR2601_2: R2601.2 R2602.2 R2603.1 U702.11 | length 231
  TOP w10: U702.11@3099.89,1764.84 3127.8,1764.84 3147.8,1744.84 3147.8,1730 3171.3,1706.5 v15(3171.3,1695)
  BOTTOM w10: v15(3171.3,1695) 3172.8,1696.5 3172.8,1699.8 3182.8,1709.8 3197.76,1709.8 3202.76,1709.8 3204.36,1708.2 3237.84,1708.2 3277.84,1708.2
NetR2604_2: R2604.2 U702.3 | length 62.7
  TOP w10: 2927.31,1795 2942.79,1795 2953.26,1784.53 U702.3@2985.71,1784.53
NetR2641_1: R2641.1 U705.5 | length 78.6
  TOP w8: U705.5@3781.3,1888.79 3781.3,1876.5 3792.8,1865 R2641.1@3792.8,1815
NetR2649_2: R2649.2 R2655.1 U708.4 | length 111.1
  TOP w3.62: U708.4@650.3,389 v7(650.3,430)
  BOTTOM w3.62: 652.84,465.2 652.84,432.54 v7(650.3,430) 659.6,420.7 R2649.2@659.6,400.04
NetR2682_2: R2682.2 R2684.1 U713.45 | length 108.7
  TOP w8: 2902.8,1070 2907.17,1065.63 U713.45@2946.07,1065.63
  TOP w12: 2868.31,1055 2868.31,1080 2892.8,1080 2902.8,1070
NetR2683_2: R2683.2 U713.46 | length 86
  TOP w8: 2907.92,1049.88 U713.46@2946.07,1049.88
  TOP w10: 2868.31,1030 2877.79,1030 2897.67,1049.88 2907.92,1049.88
NetR2685_1: R2685.1 U713.48 | length 200.4
  TOP w3.62: R2685.1@2827.84,869.8 2827.84,905.04 2941.19,1018.39 U713.48@2946.07,1018.39
NetR2686_2: R2686.2 R2687.1 Y402.4 | length 34.3
  TOP w10: v10(2713.8,1128) 2730.81,1128 2732.81,1130 R2687.1@2747.29,1130

## Text inside footprints (layer, text, board x,y; h text height)
U735: Top Overlay "1" at 2397.01,519.5 h15; Top Overlay "C" at 2335.44,544.5 h15; Top Overlay "A" at 2370.09,545.5 h15; Top Pin Number "B1" at 2355.83,520.47 h8 r270; Top Pin Number "C1" at 2340.08,527.71 h8 r270; Top Pin Number "C2" at 2340.08,509.4 h8 r270; Top Pin Number "A2" at 2371.58,509.4 h8 r270; Top Pin Number "A1" at 2371.58,527.71 h8 r270; Top Assembly "C" at 2336.18,553.11 h15 r270; Top Assembly "A" at 2369.57,552.96 h15 r270; Top Assembly "1" at 2392.3,528.79 h15 r270
U736: Top Overlay "A" at 3160.3,2221.29 h15 r90; Top Overlay "C" at 3161.3,2186.64 h15 r90; Top Overlay "1" at 3186.3,2248.21 h15 r90; Top Pin Number "A1" at 3178.09,2222.78 h8; Top Pin Number "A2" at 3196.4,2222.78 h8; Top Pin Number "C2" at 3196.4,2191.28 h8; Top Pin Number "C1" at 3178.09,2191.28 h8; Top Pin Number "B1" at 3185.33,2207.03 h8; Top Assembly "1" at 3177.01,2243.5 h15; Top Assembly "A" at 3152.84,2220.77 h15; Top Assembly "C" at 3152.69,2187.38 h15
U737: Top Overlay "1" at 3103.8,1852 h30 r90; Top Overlay "2" at 3100.8,1998 h30 r90; Top Pin Number "2" at 3097.22,1959.08 h20 r90; Top Pin Number "3" at 3018.22,1922.08 h20 r90; Top Pin Number "1" at 3097.22,1885.08 h20 r90
U738: Top Pin Number "2" at 1579.61,1920.43 h15 r270; Top Pin Number "3" at 1563.86,1920.43 h15 r270; Top Pin Number "10" at 1553.86,1857.44 h15 r270; Top Pin Number "11" at 1569.61,1857.44 h15 r270; Top Pin Number "16" at 1608.98,1912.56 h15 r270; Top Pin Number "1" at 1595.36,1918.46 h15 r270; Top Pin Number "14" at 1608.98,1881.06 h15 r270; Top Pin Number "12" at 1585.36,1857.44 h15 r270; Top Pin Number "15" at 1608.98,1896.81 h15 r270; Top Pin Number "13" at 1608.98,1865.31 h15 r270; Top Pin Number "5" at 1524.49,1912.56 h15 r270; Top Pin Number "4" at 1548.12,1920.43 h15 r270; Top Pin Number "9" at 1548.12,1857.44 h15 r270; Top Pin Number "8" at 1524.49,1865.31 h15 r270; Top Pin Number "7" at 1524.49,1881.06 h15 r270; Top Pin Number "6" at 1524.49,1896.81 h15 r270; Top Assembly "1" at 1601.36,1919.41 h8 r270
U740: Top Overlay "1" at 2377.8,980 h30 r270; Top Overlay "8" at 2212.8,985 h30 r270; Top Overlay "9" at 2218,770 h30 r270; Top Overlay "16" at 2377.8,775 h30 r270; Top Pin Number "17" at 2300.3,880.5 h15 r270; Top Pin Number "7" at 2251.59,941.93 h15 r270; Top Pin Number "13" at 2310.64,814.07 h15 r270; Top Pin Number "15" at 2350.01,814.07 h15 r270; Top Pin Number "16" at 2369.7,814.07 h15 r270; Top Pin Number "1" at 2369.7,941.93 h15 r270; Top Pin Number "3" at 2330.33,941.93 h15 r270; Top Pin Number "4" at 2310.64,941.93 h15 r270; Top Pin Number "6" at 2271.27,941.93 h15 r270; Top Pin Number "14" at 2330.33,814.07 h15 r270; Top Pin Number "9" at 2231.9,808.07 h15 r270; Top Pin Number "8" at 2231.9,941.93 h15 r270; Top Pin Number "10" at 2251.59,814.07 h15 r270; Top Pin Number "11" at 2271.27,814.07 h15 r270; Top Pin Number "12" at 2290.96,814.07 h15 r270; Top Pin Number "5" at 2290.96,941.93 h15 r270; Top Pin Number "2" at 2350.01,941.93 h15 r270; Top Assembly "1" at 2376,970 h15 r270; Top Assembly "8" at 2226,965 h15 r270; Top Assembly "9" at 2221,765 h15 r270; Top Assembly "16" at 2377,755 h15 r270
U741: Top Overlay "8" at 3715.3,1611 h30 r90; Top Overlay "5" at 3718.3,1379 h30 r90; Top Overlay "4" at 3506.3,1380 h30 r90; Top Pin Number "4" at 3480.87,1437.05 h20 r270; Top Pin Number "2" at 3480.87,1537.05 h20 r270; Top Pin Number "3" at 3480.87,1487.05 h20 r270; Top Pin Number "1" at 3480.87,1587.05 h20 r270; Top Pin Number "5" at 3685.13,1437.05 h20 r270; Top Pin Number "6" at 3685.13,1487.05 h20 r270; Top Pin Number "7" at 3685.13,1537.05 h20 r270; Top Pin Number "8" at 3685.13,1587.05 h20 r270
U742: Top Overlay "5" at 2608,720 h30; Top Overlay "6" at 2445,735 h30; Top Overlay "10" at 2425,555 h30; Top Pin Number "10" at 2464.68,625.63 h10 r180; Top Pin Number "9" at 2460.77,645.31 h10 r180; Top Pin Number "8" at 2461.01,665 h10 r180; Top Pin Number "4" at 2571.49,684.69 h10 r180; Top Pin Number "7" at 2461.01,684.69 h10 r180; Top Pin Number "11" at 2522.51,670 h20 r180; Top Pin Number "6" at 2460.77,704.37 h10 r180; Top Pin Number "5" at 2571.25,704.37 h10 r180; Top Pin Number "2" at 2571.25,645.31 h10 r180; Top Pin Number "1" at 2569.11,625.63 h10 r180; Top Pin Number "3" at 2571.25,665 h10 r180
U743: Top Overlay "1" at 2338.09,1064.77 h30; Top Overlay "3" at 2391,1055 h30; Top Overlay "4" at 2379,1243 h30; Top Overlay "5" at 2333,1240 h30; Top Pin Number "1" at 2344.2,1117.5 h20; Top Pin Number "3" at 2395.4,1117.5 h20; Top Pin Number "4" at 2395.4,1202.5 h20; Top Pin Number "5" at 2344.2,1202.5 h20; Top Pin Number "2" at 2369.8,1117.5 h20; Top Assembly "1" at 2350.45,1073.5 h15; Top Assembly "3" at 2404.49,1069.98 h15; Top Assembly "4" at 2403.65,1221.42 h15; Top Assembly "5" at 2352.42,1221.98 h15
U745: Bottom Overlay "1" at 733.43,2264.26 h15; Bottom Overlay "5" at 733.43,2332.63 h15; Bottom Overlay "6" at 774.43,2364.71 h15 r270; Bottom Overlay "7" at 839.76,2331.47 h15; Bottom Pin Number "8" at 811.06,2317.75 h8; Bottom Pin Number "7" at 811.06,2333.5 h8; Bottom Pin Number "9" at 810.87,2302 h8; Bottom Pin Number "10" at 813.99,2286.25 h8; Bottom Pin Number "11" at 812.27,2270.5 h8; Bottom Pin Number "12" at 778.6,2268.71 h8 r270; Bottom Pin Number "6" at 778.6,2335.21 h8 r270; Bottom Pin Number "1" at 757.76,2268.93 h8; Bottom Pin Number "2" at 759.48,2286.25 h8; Bottom Pin Number "4" at 759.67,2317.75 h8; Bottom Pin Number "3" at 759.48,2302 h8; Bottom Pin Number "5" at 759.48,2333.5 h8; Bottom Assembly "1" at 757.76,2268.93 h8; Bottom Assembly "5" at 759.48,2333.5 h8; Bottom Assembly "7" at 811.06,2333.5 h8; Bottom Assembly "6" at 778.6,2335.21 h8 r270; Bottom Assembly "12" at 778.6,2268.71 h8 r270; Bottom Assembly "11" at 812.27,2270.5 h8
U746: Bottom Pin Number "1" at 2624.9,1913.5 h20 r180; Bottom Pin Number "2" at 2760.96,1913.5 h20 r180
U747: Bottom Pin Number "2" at 2760.96,1813.5 h20 r180; Bottom Pin Number "1" at 2624.9,1813.5 h20 r180
U748: Bottom Overlay "5" at 1345.8,2363 h20 r180; Bottom Overlay "8" at 1344.8,2284 h20 r180; Bottom Pin Number "11" at 1259.43,2284.28 h10 r180; Bottom Pin Number "8" at 1313.78,2296.35 h10 r180; Bottom Pin Number "9" at 1286.44,2284.28 h10 r180; Bottom Pin Number "10" at 1270.89,2284.28 h10 r180; Bottom Pin Number "6" at 1314.25,2327.84 h10 r180; Bottom Pin Number "14" at 1211.11,2312.1 h10 r180; Bottom Pin Number "15" at 1211.59,2327.84 h10 r180; Bottom Pin Number "2" at 1254.48,2355.66 h10 r180; Bottom Pin Number "13" at 1211.59,2296.35 h10 r180; Bottom Pin Number "12" at 1239.4,2284.28 h10 r180; Bottom Pin Number "16" at 1212.06,2343.59 h10 r180; Bottom Pin Number "3" at 1270.22,2355.66 h10 r180; Bottom Pin Number "4" at 1285.49,2355.66 h10 r180; Bottom Pin Number "5" at 1313.78,2343.59 h10 r180; Bottom Pin Number "7" at 1313.78,2312.1 h10 r180; Bottom Pin Number "1" at 1243.01,2353.69 h10 r180
Y401: Top Overlay "1" at 402.52,1829.15 h15 r180
Y402: Top Overlay "1" at 2641.29,1074.51 h15
Y403: Top Overlay "1" at 3293.29,1069.51 h15
Y404: Top Overlay "1" at 1302.31,1326.51 h15 r270